# Altium PCB cheriot-test.PcbDoc (part 3 of 10)
Units mil, origin at the board's own origin, x right, y up, seen from the top; angles counter-clockwise.
Board outline 4921.26 x 3149.61 mil, 8 copper layers (Top Layer, Int1 (Sign), Int2 (GND), Int3 (Sign), Int4 (Sign), Int5 (PWR), Int6 (Sign), Bottom Layer), stack 60.424 mil thick; 468 components, 516 nets, 2293 pads, 1328 vias.
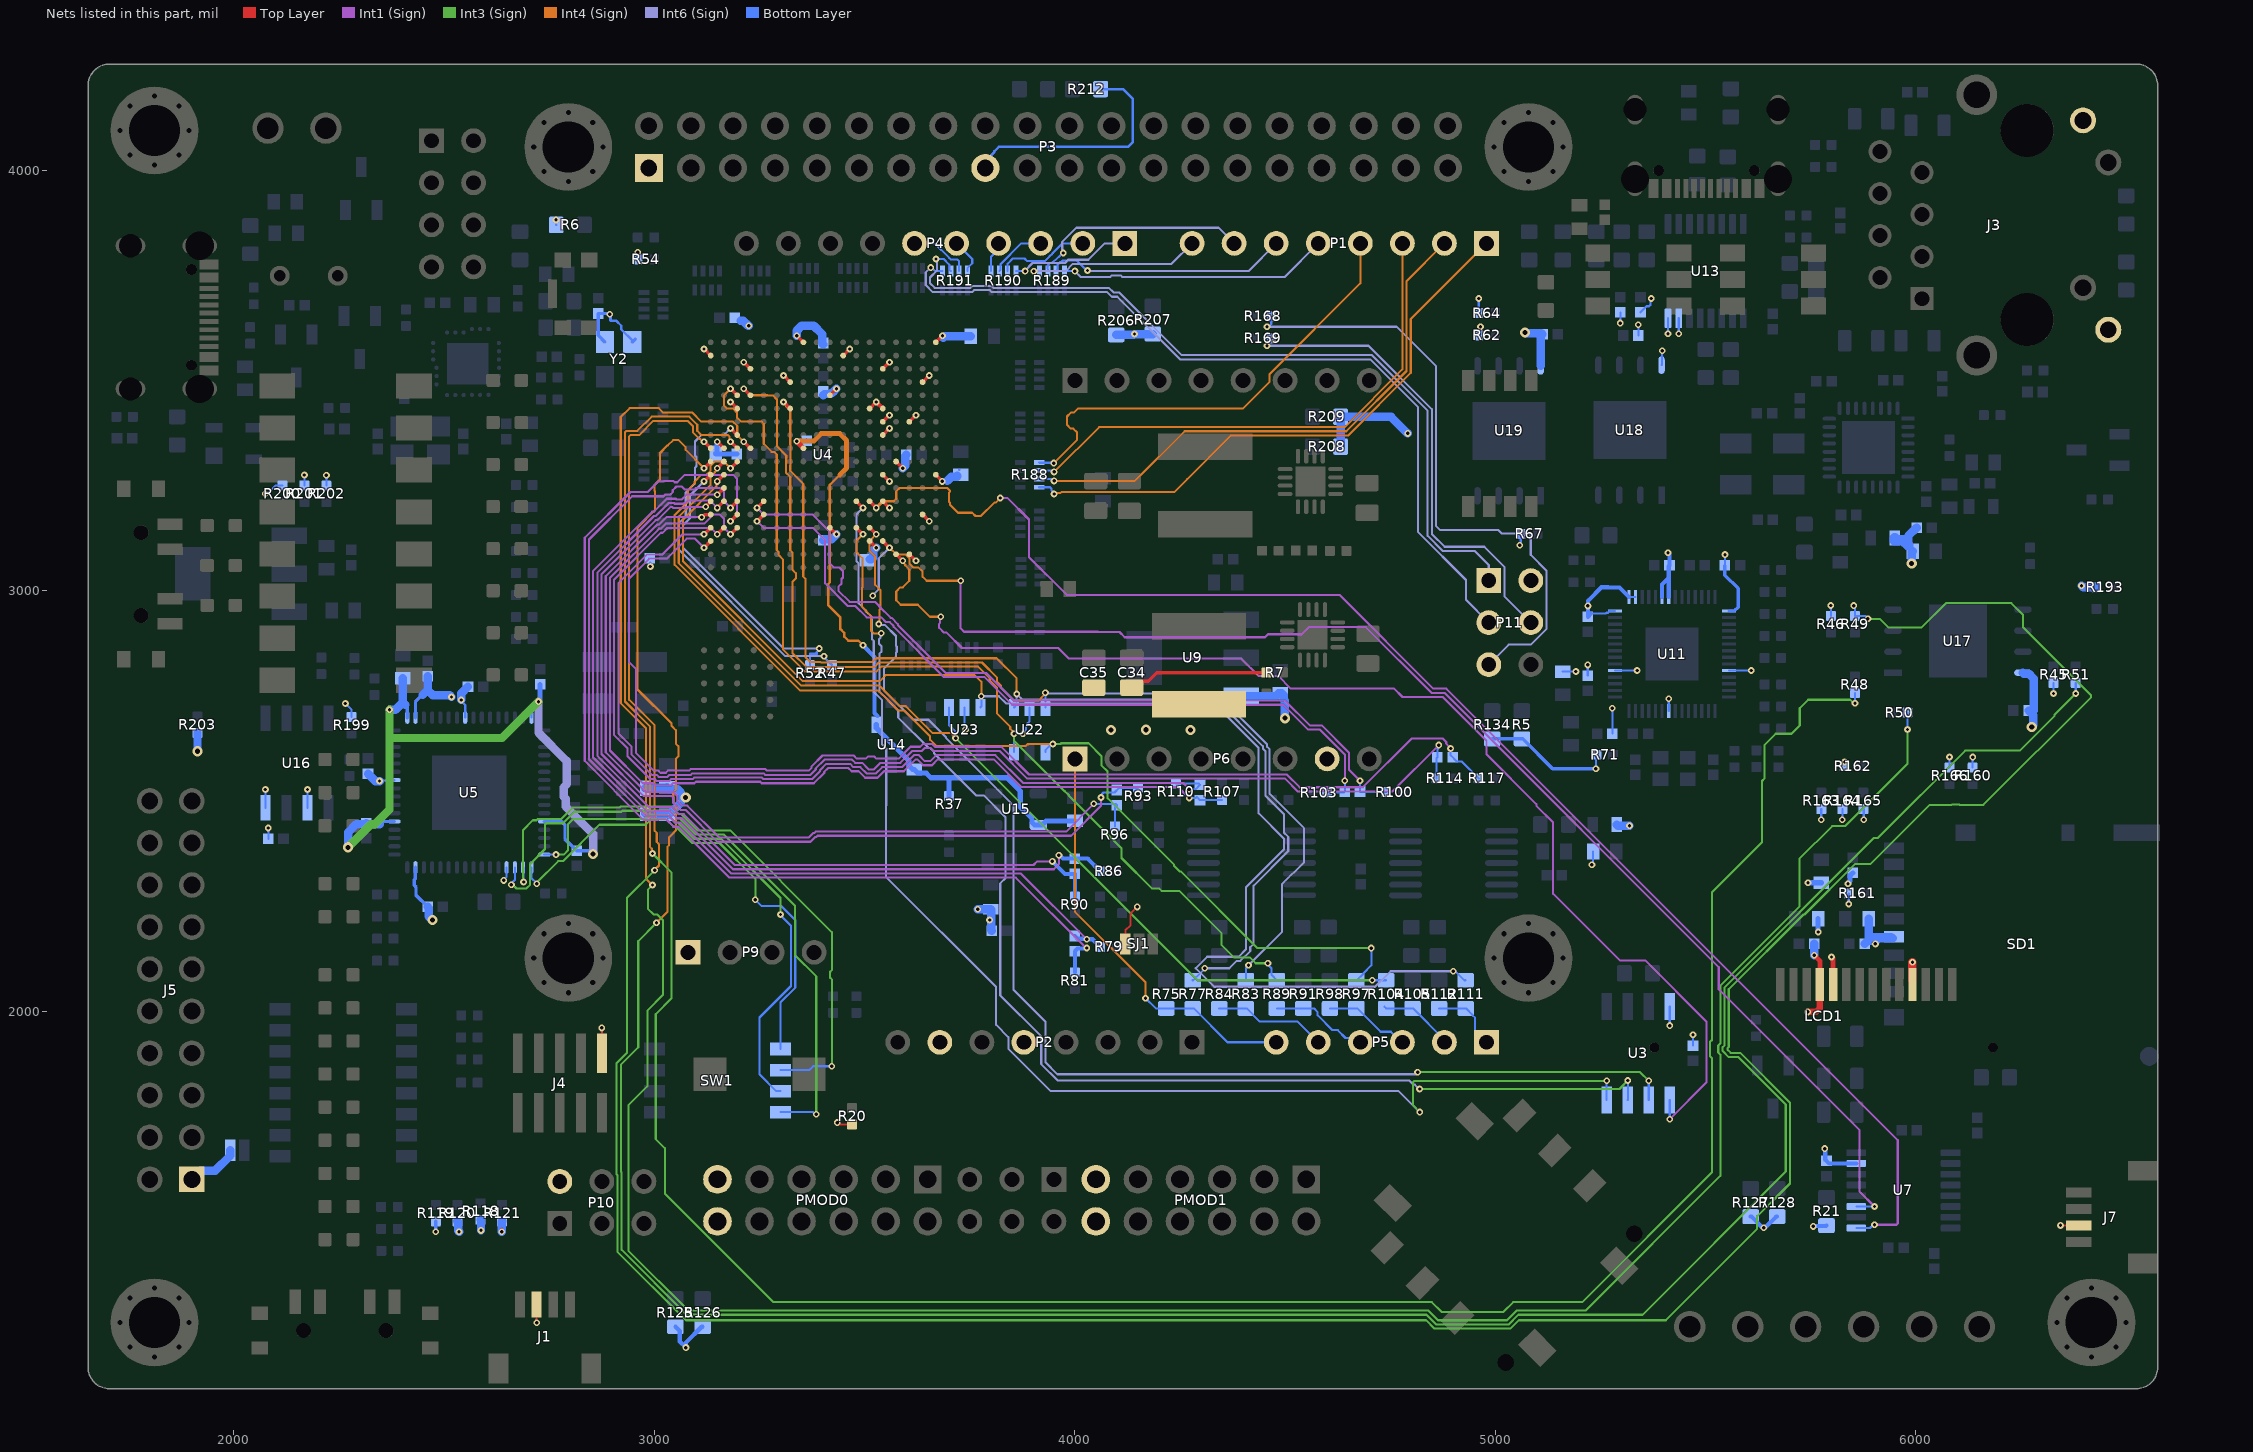
[diagram p9: the nets of this part, all layers, seen from the top]

## Via types
v1: diameter 16, hole 8, Top Layer to Bottom Layer, tented both sides, 1207 vias
v2: diameter 24, hole 12, Top Layer to Bottom Layer, tented both sides, 105 vias
v3: diameter 23.62, hole 11.81, Top Layer to Bottom Layer, tented both sides, 16 vias

## Nets (pads, with @x,y where several pads share a name; then routed paths per layer and width w, separated by ;. In a path a pad name is that pad's centre, name@x,y a point inside that pad or via, vN(x,y) a via of type N, cw(c..) or ccw(c..) an arc to the next point about the centre after c; other vN are vias at no path point)
1V8_FTDI: C76.1 C117.1 C134.1 C135.1 U5.12 U5.37 U5.49 U5.64 | length 1738.4
  Int3 (Sign) w20: v2(2271.65,2389.76) 2326.77,2444.88 2335.68,2444.88 2370.08,2479.28 2370.08,2649.61 ; v1(2370.08,2716.54) 2370.08,2649.61 ; v1(2724.41,2736.22) 2637.8,2649.61 2370.08,2649.61
  Int6 (Sign) w20: v1(2724.41,2736.22) 2724.41,2662.02 2791.34,2595.09 2791.34,2539.17 2784.09,2531.92 2784.09,2510.16 2788.91,2505.33 2788.91,2486.68 2854.33,2421.26 v2(2854.33,2374.02)
  Bottom Layer w5: U5.49@2410.13,2705.49 U5.49@2412.36,2703.26 ; U5.64@2707.64,2698.15 2707.64,2719.45 v1(2724.41,2736.22)
  Bottom Layer w8: 2346.46,2444.88 2352.68,2451.1 U5.37@2381.85,2451.1 ; 2407.68,2728.35 2412.36,2723.66 2412.36,2703.26 U5.49@2412.36,2698.15 ; U5.12@2738.15,2451.1 2779.27,2451.1 2787.4,2442.97 2787.4,2409.45 C134.1@2814.96,2381.89 2846.46,2381.89 v2(2854.33,2374.02)
  Bottom Layer w12: v1(2724.41,2736.22) 2724.41,2737.3 2728.35,2741.24 C117.1@2728.35,2777.17
  Bottom Layer w20: v2(2271.65,2389.76) 2271.65,2425.2 2291.1,2444.65 2312.36,2444.65 C135.1@2314.96,2447.24 2317.32,2444.88 2346.46,2444.88 ; v1(2370.08,2716.54) 2383.66,2716.54 2401.57,2734.45 ; C76.1@2401.57,2791.34 2401.57,2734.45 ; 2407.68,2728.35 2401.57,2734.45
3V3_FTDI: C21.1 C22.1 C23.1 C24.1 C25.1 C26.1 C27.1 C28.1 C29.1 C30.1 C34.1 C35.1 C54.1 C55.1 C56.1 C64.2 C65.1 C69.1 C72.1 C75.1 C79.1 C80.1 C82.1 C83.1 C86.1 C87.1 C88.1 C89.1 C90.1 C91.1 C100.1 C110.1 C111.1 C112.1 C113.1 C114.1 C115.1 C121.1 C122.1 C125.1 C129.1 C136.1 C137.1 C138.1 C141.1 J1.2 J3.9 J3.12 J4.1 J5.1 J7.2 L1.2 L3.1 L5.1 L6.1 L7.1 L9.1 LCD1.4 LCD1.10 LCD1.11 P2.5 P2.7 P3.1 P3.17 P6.7 P9.1 P10.2 P11.2 PMOD0.6 PMOD0.12 PMOD1.6 PMOD1.12 R5.1 R6.1 R7.1 R20.1 R21.2 R45.1 R46.1 R54.1 R62.1 R64.1 R67.2 R71.2 R118.1 R119.1 R120.1 R121.1 R125.1 R126.1 R127.1 R128.1 R134.1 R160.2 R161.2 R162.2 R163.2 R164.2 R165.2 R166.2 R193.1 R199.1 R200.2 R201.2 R202.2 R203.1 R206.2 R207.2 R208.1 R209.1 R212.2 SD1.4 SJ1.1 SJ2.1 U3.8 U4.A17 U4.B10 U4.C13 U4.D16 U4.G15 U4.H18 U4.K4 U4.K14 U4.L17 U4.N3 U4.N13 U4.P6 U4.P8 U4.P11 U4.P12 U4.P13 U4.P16 U4.R9 U4.T2 U4.T12 U4.U5 U4.U15 U4.V8 U4.V18 U5.20 U5.31 U5.42 U5.50 U5.56 U7.15 U9.3 U11.1 U11.10 U11.22 U11.33 U11.42 U11.43 U11.44 U11.48 U11.49 U13.15 U13.16 U16.6 U16.8 U17.8 U18.8 U19.8 U22.5 U23.5 Y2.1 Y2.4 | length 7552.4
  Top Layer w5: v1(2535.5,1475.5) v1@2535.5,1477.82 ; v1(2636.95,1475.5) v1@2636.95,1482.47 ; v1(2720.08,1259.05) J1.2@2720.08,1302.56 ; J4.1@2875,1900 v1(2875,1960.24) ; v1(3435,1735) 3437.98,1735 3442.66,1730.32 R20.1@3470,1730.32 ; SJ1.1@4120,2160 4120,2192.07 4132.5,2204.57 4132.5,2232.49 v1(4148,2247.99) ; v1(6343.93,1490.55) J7.2@6387.44,1490.55
  Top Layer w8: v1(3118.11,3574.8) U4.A17@3133.86,3559.06 ; v1(3149.61,3354.33) U4.B10@3165.35,3338.58 ; v1(3181.1,3448.82) U4.C13@3196.85,3433.07 ; v1(3212.6,3543.31) U4.D16@3228.35,3527.56 ; v1(3307.09,3511.81) U4.G15@3322.83,3496.06 ; v1(3338.58,3606.3) U4.H18@3354.33,3590.55 ; U4.K4@3417.32,3149.61 v1(3433.07,3133.86) ; U4.K14@3417.32,3464.57 v1(3433.07,3480.32) ; U4.L17@3448.82,3559.06 v1(3464.57,3574.8) ; U4.N3@3511.81,3118.11 v1(3527.56,3102.36) ; U4.N13@3511.81,3433.07 v1(3527.56,3448.82) ; U4.P6@3543.31,3212.6 v1(3559.06,3196.85) ; U4.P8@3543.31,3275.59 v1(3559.06,3259.84) ; U4.P11@3543.31,3370.08 v1(3559.06,3385.83) ; U4.P12@3543.31,3401.57 v1(3559.06,3417.32) ; U4.P16@3543.31,3527.56 v1(3559.06,3543.31) ; U4.R9@3574.8,3307.09 v1(3590.55,3291.34) ; U4.T2@3606.3,3086.61 v1(3622.05,3070.87) ; U4.T12@3606.3,3401.57 v1(3622.05,3417.32) ; U4.U5@3637.8,3181.1 v1(3653.54,3165.35) ; U4.U15@3637.8,3496.06 v1(3653.54,3511.81) ; U4.V8@3669.29,3275.59 3669.29,3275.47 3684.79,3259.97 v1(3684.79,3259.84) ; U4.V18@3669.29,3590.55 v1(3685.04,3606.3) ; C34.1@4135,2769.57 4149.99,2784.56 4174.56,2784.56 4195,2805 R7.1@4455.31,2805
  Top Layer w10: v1(3527.56,3448.82) U4.P13@3543.31,3433.07
  Top Layer w12: v1(5758.32,2133.11) 5771.65,2119.77 LCD1.11@5771.65,2062.99 ; v1(5799.21,2128.92) 5803.15,2124.98 LCD1.10@5803.15,2062.99
  Top Layer w15: v1(5742.8,1998.21) 5742.99,1998.4 5762.78,1998.4 5771.65,2007.28 LCD1.11@5771.65,2033.62
  Top Layer w20: LCD1.4@5991.74,2072.29 v1(5991.74,2116.56)
  Bottom Layer w5: v1(2074.56,3230.57) 2079.68,3230.57 2099.37,3250.26 R200.2@2115.37,3250.26 ; U16.8@2075,2483.7 v1(2075,2527.21) ; C79.1@2081.89,2410 2081.89,2428.63 v1(2081.89,2435.6) ; R201.2@2167.68,3250.26 2167.68,3268.1 v1(2167.68,3275.07) ; U16.6@2175,2483.7 v1(2175,2527.21) ; R202.2@2220,3249.68 v1(2220,3274.5) ; v1(2265.28,2731.73) 2280,2717 R199.1@2280,2699.68 ; v1(2346.46,2547.24) 2347.81,2548.6 2380.92,2548.6 U5.42@2381.85,2549.53 ; v1(2541,2740.16) 2541,2737.18 2550.16,2728.02 U5.56@2550.16,2698.15 ; v1(2641.73,2311.02) 2641.73,2312.74 2648.58,2319.59 U5.20@2648.58,2341.85 ; v1(2766.18,3881.65) 2766.18,3870.35 R6.1@2766.54,3870 ; R54.1@2960.32,3787.68 v1(2960.32,3804.5) ; C21.1@2989.5,3067.03 2990.5,3067.03 v1(2990.5,3057.36) ; C28.1@3725,3287.44 C28.1@3725.63,3288.07 ; U23.5@3737.91,2722.22 3737.91,2671.59 v1(3740,2669.5) ; v1(3797.11,2216.86) 3797.11,2216.14 3800.95,2212.3 3801.89,2211.36 3801.89,2209.9 C56.1@3801.89,2191.26 ; v1(3876.42,2659.5) 3876.42,2662.48 3883.95,2670 3883.95,2677.43 3887.18,2680.66 3887.18,2684.2 3892.51,2689.53 3892.51,2696.49 U22.5@3892.51,2722.22 ; R62.1@4960.31,3607.22 4964.57,3611.48 v1(4964.57,3627.78) ; R64.1@4960.31,3660 4960.31,3679.39 v1(4960.32,3694.89) ; v1(5058.08,3108.01) 5060.19,3110.12 5060.19,3115.62 5060.32,3115.75 5060.32,3117.21 R67.2@5060.31,3135.06 ; C82.1@5160,2807.56 5184.74,2807.56 5191.08,2807.56 v1(5191.46,2807.93) ; v1(5219.68,2823.39) 5219.68,2798.43 C89.1@5220,2798.11 ; C86.1@5227.6,2945.71 5262.63,2945.71 5264.33,2947.42 5267.07,2947.42 5271.38,2951.73 U11.42@5284.17,2951.73 ; v1(5229.5,2348.2) 5229.5,2351.18 5232.44,2354.12 5232.44,2355.17 C100.1@5232.44,2379.9 ; v1(5239.04,2576.81) 5239.04,2608.59 R71.2@5240.31,2609.87 ; C87.1@5278.11,2660 5278.11,2692.76 v1(5278.11,2720.5) ; U11.33@5284.17,2809.99 v1(5336.92,2809.99) ; v1(5297.14,3636.29) 5297.14,3643.25 C55.1@5297.14,3661.89 ; U11.43@5317.64,2985.19 U11.44@5333.39,2985.19 ; C83.1@5340,3606.84 v1(5340,3632.44) ; C54.1@5345.08,3661.89 5359.45,3676.25 5365.61,3676.25 5368.74,3679.39 5368.74,3692.95 v1(5370.68,3694.89) ; U18.8@5395,3536.36 5395.87,3537.23 5395.87,3569.78 v1(5396.74,3570.65) ; v1(5410.43,3611.17) 5410.43,3618.14 U13.16@5410.43,3647.8 ; U11.22@5412.13,2713.54 v1(5412.13,2743.27) ; v1(5414.59,1965.74) U3.8@5414.59,2011.22 ; v1(5436.02,3611.17) U13.15@5436.02,3647.8 ; C65.1@5470,1918.11 v1(5470,1943.71) ; C88.1@5545.84,3060 5545.84,3078.63 5545.84,3085.6 v1(5546.08,3085.84) ; U11.10@5555.83,2809.99 v1(5608.58,2809.99) ; v1(5775,2455.5) R163.2@5775,2480.32 ; R46.1@5797.78,2940.02 v1@5797.78,2957.87 ; v1(5825,2455.5) R164.2@5825,2480.32 ; R162.2@5830.31,2582.82 v1(5830.32,2592.5) ; v1(5840.02,2254.9) 5840.32,2255.19 5840.32,2262.15 R161.2@5840.31,2280 ; R165.2@5875,2480.32 5876,2479.32 v1(5876,2455.5) ; C114.1@5878.11,2160 v1(5903.71,2160) ; R166.2@6080,2579.68 v1(6080,2604.5) ; R160.2@6135,2579.37 6135,2597.22 v1(6135,2604.18) ; v1(6327.22,2755.5) 6327.22,2762.47 R45.1@6327.22,2780.32
  Bottom Layer w6: v1(2893.7,3657.48) 2895.61,3655.57 2895.61,3643.33 2897.22,3641.73 2909.45,3641.73 2921.26,3629.92 2921.26,3621.5 2947.48,3595.28 Y2.1@2947.48,3591.34 ; P3.17@3787.01,4005.12 3787.01,4021.61 3808.78,4043.38 3808.78,4045 3818.9,4055.12 4125.98,4055.12 4137.8,4066.93 4137.8,4169.29 4114.17,4192.91 R212.2@4061.02,4192.91
  Bottom Layer w8: U5.31@2432.05,2341.85 2431.69,2341.5 2431.69,2315.16 2429.13,2312.6 2429.13,2299.21 2433.07,2295.28 2433.07,2275.59 C137.1@2460.63,2248.03 ; U5.50@2432.05,2698.15 2432.05,2721.08 2431.82,2721.3 2431.82,2735.39 2448.4,2751.97 2448.82,2751.97 ; v1(2480,1475.5) 2480.16,1475.66 2480.16,1499.84 R119.1@2480.32,1500 ; Y2.4@2882.52,3591.34 2866.14,3607.72 C141.1@2866.14,3659.06 2888.19,3659.06 2889.76,3657.48 v1(2893.7,3657.48) ; Y2.1@2947.48,3591.34 Y2.1@2954.57,3598.43 ; R134.1@4992.13,2647.64 R5.1@5062.99,2647.64 5064.96,2647.64 5135.79,2576.81 v1(5239.04,2576.81) ; C88.1@5545.84,3060 5545.84,3036.84 5577.4,3005.28 5577.4,2960.63 5568.5,2951.73 U11.1@5555.83,2951.73 ; v1(5903.71,2160) 5905.87,2160 5912.66,2166.78 5938.45,2166.78 5944.9,2173.23 SD1.4@5948.23,2176.56
  Bottom Layer w10: R125.1@3050,1249.54 3060.26,1239.28 3060.26,1214.74 v1(3075,1200) 3075,1211.98 3112.56,1249.54 R126.1@3114.53,1249.54 ; C86.1@5227.6,2945.71 C86.1@5220,2938.11 v1(5220,2963.71) 5220.39,2964.1 5220.39,2975.85 5252.54,3008 5267.46,3008 5267.91,3007.55 5295.28,3007.55 U11.43@5317.64,2985.19 ; U11.48@5396.38,2985.19 5396.38,3014.49 5412.13,3030.24 ; v1(5410.5,3090) 5410.5,3088.38 5414.07,3084.81 C90.1@5414.07,3060 5412.13,3058.06 5412.13,3030.24 ; U11.49@5412.13,2985.19 5412.13,3030.24 ; R127.1@5606.93,1511.54 5608.9,1511.54 5634.29,1486.15 5636.85,1486.15 v1(5638,1485) 5639.15,1486.15 5642.64,1486.15 5668.03,1511.54 R128.1@5670,1511.54 ; v1(5755.91,1488.19) 5756.89,1489.17 5786.42,1489.17 R21.2@5787.4,1490.16 ; v1(5783.46,1673.23) 5784.61,1672.08 5784.61,1646.88 C64.2@5787.4,1644.09 5793.7,1637.8 U7.15@5858.27,1637.8
  Bottom Layer w12: v1(3149.61,3354.33) 3148.84,3353.57 3148.84,3329.46 C110.1@3145.51,3326.13 3146.58,3325.05 C22.1@3196,3325.05 ; v1(3684.79,3259.84) 3685.56,3260.61 3696.11,3260.61 3696.85,3261.35 ; v1(5743.3,2305.42) C121.1@5775,2305.42 ; v1(5767.56,2188.3) C113.1@5767.56,2220 ; v1(5838.58,2303.15) 5838.58,2304.23 5843.4,2309.05 5843.4,2322.44 C122.1@5850,2329.04
  Bottom Layer w20: J5.1@1900,1600 1920.51,1620.51 1955.38,1620.51 1991.66,1656.79 SJ2.1@1991.66,1669.29 ; v2(1913.39,2618.11) R203.1@1913.39,2661.42 ; C136.1@2318.9,2564.57 2336.22,2547.24 v1(2346.46,2547.24) ; 2448.82,2751.97 2460.63,2763.78 ; C137.1@2460.63,2248.03 2463.23,2245.43 2463.23,2225.75 v2(2472.44,2216.54) ; C75.1@2460.63,2796.85 2460.63,2763.78 ; v1(2517.59,2747.19) 2513.28,2751.5 2472.91,2751.5 2460.63,2763.78 ; R120.1@2531.5,1500 2533.31,1498.19 2533.31,1477.7 v1(2535.5,1475.5) ; v1(2541,2740.16) 2541,2755.96 C138.1@2556.69,2771.65 ; R118.1@2586.61,1503.94 2587.77,1502.78 v1(2587.77,1478.64) ; v1(2636.95,1475.5) 2636.95,1499.15 R121.1@2637.8,1500 ; L5.1@2978.74,2470 2979.96,2468.78 3028.78,2468.78 C69.1@3030,2467.56 3033.94,2467.56 3062.99,2496.61 v2@3062.99,2508.2 ; L6.1@2978.74,2530 2979.96,2531.22 C72.1@3028.78,2531.22 ; C72.1@3030,2532.44 C72.1@3028.78,2531.22 ; v2(3074.48,2508.2) v2@3062.99,2508.2 ; 3204.72,3641.73 3211.38,3641.73 3223.19,3629.92 v1(3224.41,3629.92) ; v1(3338.58,3606.3) 3338.58,3618.21 3350.3,3629.92 3378.98,3629.92 3398.98,3609.93 3398.98,3587.95 C27.1@3401.57,3585.35 ; C25.1@3401.57,3119.69 3404.17,3122.28 3421.5,3122.28 v1(3433.07,3133.86) ; C23.1@3401.57,3465.18 3404.17,3467.78 3419.51,3467.78 3423.54,3471.82 3424.57,3471.82 v1(3433.07,3480.32) ; C29.1@3511.81,3074.8 3515.75,3074.8 3520.51,3079.57 3520.51,3095.31 v1(3527.56,3102.36) ; v1(3590.55,3291.34) 3596.71,3297.49 3596.71,3320.24 C26.1@3599.31,3322.83 ; v1@3686.54,3601.26 3690.28,3605 C111.1@3752.44,3605 ; 3696.85,3261.35 3706.33,3270.83 3719.65,3270.83 3720.47,3271.65 C28.1@3720.47,3273.06 ; v1(3768.89,2242.52) L3.1@3800,2242.52 3800.95,2241.57 3800.95,2212.3 3800.95,2192.2 C56.1@3801.89,2191.26 ; R206.2@4098.43,3608.27 4139.76,3608.27 v1(4141.73,3610.24) R207.2@4185.04,3610.24 ; U9.3@4395.16,2749.45 4477.8,2749.45 4484.25,2755.91 C30.1@4488.19,2755.91 4492.13,2755.91 4496.89,2751.14 4496.89,2740.7 4499.06,2738.52 4499.06,2697.44 v2(4499.83,2696.68) ; R208.1@4631.89,3342.52 R209.1@4631.89,3413.39 4751.97,3413.39 v1(4791.34,3374.02) ; v2(5070.11,3614.18) 5071.19,3614.18 5072.78,3612.6 5109.29,3612.6 C91.1@5111.89,3610 5107.53,3605.64 U19.8@5107.53,3534.55 ; L7.1@5288.74,2443.95 5288.74,2443.54 5291.34,2440.94 v1(5318.9,2440.94) ; C112.1@5758.11,2160 5758.32,2159.79 v1(5758.32,2133.11) ; C114.1@5878.11,2160 C114.1@5887.56,2169.45 ; C115.1@5887.56,2220 C114.1@5887.56,2169.45 ; SD1.4@5944.9,2173.23 5941.63,2176.5 5894.61,2176.5 C114.1@5887.56,2169.45 ; C125.1@5981.49,3108.43 5981.49,3129.63 C129.1@6001.89,3150.03 ; v2(5990,3065) 5990,3091.1 C125.1@5992.44,3093.54 ; U17.8@6254.55,2805 6256.82,2802.73 6268.28,2802.73 6280,2791.01 C80.1@6280,2715 ; C80.1@6268.11,2715 6278.97,2704.14 6278.97,2680.33 6275.5,2676.85 v2(6275.5,2675.77) ; v1(6393.7,3011.81) 6397.64,3007.87 R193.1@6429.13,3007.87 R193.1@6427.32,3009.68 ; C72.1@3028.78,2531.22 3032.32,2527.68 3055.1,2527.68 3062.99,2519.78 v2@3062.99,2508.2
  Bottom Layer w25: L9.1@5950,3125 5950,3119.49 5950.1,3119.39 5970.53,3119.39 C125.1@5981.49,3108.43
  other v1: 5797.78,2964.83
  other v2: 4086.2,2669.04 4169.29,2669.29 4275.18,2669.04
232_RX: U4.N6 U7.9 | length 3535.2
  Top Layer w8: U4.N6@3511.81,3212.6 v1(3527.56,3196.85)
  Int1 (Sign) w5: v1(3822.65,3220.47) 3822.94,3220.76 3839.45,3220.76 3890.85,3169.36 3890.85,3079.54 3980.39,2990 4629.3,2990 4852.31,2766.99 4883.01,2766.99 5956.69,1693.31 5956.69,1495.06 5953.76,1492.13 v1(5901.57,1492.13)
  Int4 (Sign) w5: 3543.31,3212.6 3569.6,3212.6 3575.05,3218.05 3575.05,3236.05 3583.01,3244.01 3696.85,3244.01 3702.85,3238.01 3702.85,3235.41 3700.36,3232.92 3700.36,3211.8 3702.85,3209.31 3702.85,3204.37 3721.93,3185.29 3755.78,3185.29 3763.65,3177.41 3776.49,3177.41 3808.37,3209.3 3811.48,3209.3 v1(3822.65,3220.47)
  Int4 (Sign) w8: v1(3527.56,3196.85) 3543.31,3212.6
  Bottom Layer w5: U7.9@5858.27,1484.25 5890.72,1484.25 5898.6,1492.13 v1(5901.57,1492.13)
232_TX: U4.P3 U7.11 | length 3405
  Top Layer w8: U4.P3@3543.31,3118.11 v1(3559.06,3102.36)
  Int1 (Sign) w5: v1(3728.35,3023.62) 3728.35,2910.19 3736.22,2902.32 4054.36,2902.32 4054.91,2901.76 4106.11,2901.76 4118.53,2889.34 4452.09,2889.34 4459.09,2896.34 4539.53,2896.34 4556.57,2913.39 4691.77,2913.39 4848.17,2756.99 4878.87,2756.99 5531.19,2104.67 5531.19,2052.1 5865.5,1717.79 5865.5,1571.51 v1(5901.57,1535.43)
  Int4 (Sign) w5: v1(3559.06,3102.36) 3575.05,3086.37 3596.97,3086.37 3606.55,3076.79 3606.55,3064.45 3616.12,3054.87 3628.47,3054.87 3637.8,3045.54 3637.8,3033.2 3647.37,3023.62 v1(3728.35,3023.62)
  Int6 (Sign) w5: v1(3519.57,2988.14) 3519.57,2989.41 3533.49,3003.33 3533.49,3076.8 v1(3559.06,3102.36)
  Bottom Layer w5: U7.11@5858.27,1535.43 v1(5901.57,1535.43)
485_DE: U3.3 U4.M4 | length 2987.7
  Top Layer w8: U4.M4@3480.32,3149.61 v1(3496.06,3133.86)
  Int3 (Sign) w5: v1(4819.76,1815) 5295,1815 v1(5315,1835)
  Int4 (Sign) w5: v1(3496.06,3133.86) 3480.56,3118.36 3480.56,3090.93 3494.5,3077 3494.5,3007.74 3494.07,3007.31 3494.07,2961.55 3503.77,2951.85 3503.77,2950.72 3515.75,2938.74 3515.75,2904.1 3521.5,2898.35 3539.55,2898.35 v1(3539.72,2898.52)
  Int6 (Sign) w5: v1(3539.72,2898.52) 3537.62,2896.42 3537.62,2888.03 3534.35,2884.76 3534.35,2873.31 3540,2867.66 3540,2855 3535,2850 3535,2775 3535.74,2774.26 3535.74,2759.26 3580,2715 3580,2697.93 3652.2,2625.74 3656.03,2625.74 3665.11,2616.66 3665.11,2612.83 3764.69,2513.24 3783.03,2513.24 3835,2461.27 3835,2316.41 3822.61,2304.02 3822.61,2037.39 3920,1940 3920,1874.14 3959.14,1835 4795,1835 4804.65,1825.35 4808.19,1825.35 4818.54,1815 v1(4819.76,1815)
  Bottom Layer w5: U3.3@5314.59,1788.78 5315,1789.19 v1(5315,1835)
485_DI: U3.4 U4.M6 | length 3090.4
  Top Layer w8: U4.M6@3480.32,3212.6 v1(3496.06,3196.85)
  Int3 (Sign) w5: v1(4820,1760) 4804.26,1775.74 4804.26,1831.33 4807.19,1834.26 v1(5264.59,1834.26)
  Int6 (Sign) w5: v1(3496.06,3196.85) 3480.56,3181.35 3480.56,3069.64 3485.75,3064.46 3485.75,2969.87 3501.81,2953.81 3501.81,2952.68 3517.87,2936.61 3517.87,2884.33 3521.56,2880.64 3521.56,2759.29 3541.5,2739.36 3541.5,2634.06 3551.5,2624.06 3551.5,2489.09 3551.14,2488.73 3551.14,2318.86 3812.61,2057.39 3812.61,1967.39 3841.71,1938.29 3841.71,1910.65 3942.36,1810 4770,1810 v1(4820,1760)
  Bottom Layer w5: U3.4@5264.59,1788.78 v1(5264.59,1834.26)
485_REn: U3.2 U4.N4 | length 3017.7
  Top Layer w8: U4.N4@3511.81,3149.61 v1(3527.56,3133.86)
  Int3 (Sign) w5: v1(4815,1855) 5343.85,1855 v1(5364.59,1834.26)
  Int4 (Sign) w5: v1(3527.56,3133.86) 3511.81,3118.11 3511.81,3094.49 3524.99,3081.31 3524.99,3013.72 3538.17,3000.55 3538.17,2957.27 3535,2954.1 3535,2938.95 3534.93,2938.88 3534.93,2922.28 v1(3533.37,2920.72)
  Int6 (Sign) w5: v1(3533.37,2920.72) 3535.32,2918.78 3548.03,2918.78 3574.56,2892.25 3574.56,2868.63 3576.43,2866.75 3576.43,2853.91 3574.56,2852.04 3574.56,2843.2 3545.74,2814.38 3545.74,2763.4 3616.11,2693.03 3651.72,2693.03 3693.78,2650.98 3693.78,2649.28 3853.61,2489.45 3853.61,2051.39 3930,1975 3930,1878.28 3958.28,1850 4810,1850 v1(4815,1855)
  Bottom Layer w5: U3.2@5364.59,1788.78 v1(5364.59,1834.26)
485_RO: U3.1 U4.R2 | length 2935.7
  Top Layer w8: U4.R2@3574.8,3086.61 v1(3590.55,3070.87)
  Int1 (Sign) w5: v1(3681,2938) 3678.9,2935.9 3678.9,2922.92 3677.17,2921.19 3677.17,2911.54 3688.58,2900.13 3695.09,2900.13 3731.55,2863.66 3960.7,2863.66 3986.02,2838.34 4395.8,2838.34 4436.74,2797.4 4483.25,2797.4 4513.66,2766.99 4582.92,2766.99 4583.72,2767.78 4758.17,2767.78 4778.97,2746.99 4874.73,2746.99 4978.76,2642.96 4978.76,2611.16 5097.5,2492.42 5097.5,2488.66 5137.39,2448.77 5137.39,2279.24 5295.86,2120.76 5356.51,2120.76 5501.67,1975.6 5501.67,1830.38 v1(5414.59,1743.3)
  Int4 (Sign) w5: v1(3590.55,3070.87) 3590.55,3067.89 3596.55,3061.89 3596.55,3060.3 3606.05,3050.8 3606.05,3023.37 3590.55,3007.87 3585.01,3007.87 3575.05,2997.92 3575.05,2976.95 3585.61,2966.39 3626.61,2966.39 3655,2938 v1(3681,2938)
  Bottom Layer w5: v1(5414.59,1743.3) U3.1@5414.59,1788.78
+1V85_XADC_VCC: C58.1 C59.1 C139.1 R37.1 U4.H10 U14.1 U15.5 | length 1582.1
  Top Layer w12: v1(3338.58,3355.52) 3338.58,3354.81 3354.33,3339.06 U4.H10@3354.33,3338.58
  Int4 (Sign) w5.9: 3417.08,3197.35 3417.08,3019.44 3413.39,3015.75 3413.39,2990.52 3413.75,2990.16 3413.75,2964.93 3442.56,2936.13 3442.56,2908.49 3451.6,2899.44 3451.6,2890.7 3460.95,2881.36 3484.78,2881.36 v1(3496.06,2870.08)
  Int4 (Sign) w6: 3417.08,3197.35 3417.08,3251.72 3440.94,3275.59
  Int4 (Sign) w12: v1(3338.58,3355.52) 3378.94,3355.52 3396.76,3373.34 3440.93,3373.34 3456.69,3357.58 3456.69,3291.34 3440.94,3275.59
  Bottom Layer w10: v1(3496.06,2870.08) 3523.62,2842.52 3523.62,2708.66 3530.35,2701.93 ; U14.1@3530.35,2673.59 U14.1@3536.7,2667.24
  Bottom Layer w12: v1(3338.58,3355.52) 3339.17,3356.11 3361.62,3356.11 C139.1@3362.2,3356.69 ; U14.1@3527.56,2681.1 3527.56,2673.23 3605.41,2595.38 3605.41,2583.57 3614.17,2574.8 C59.1@3618.11,2574.8 3626.87,2566.04 3646.56,2566.04 3657.48,2555.12 3700.79,2555.12 ; R37.1@3700.79,2511.81 3700.79,2555.12 ; C58.1@4000,2452.44 3931.85,2452.44 3922.01,2442.6 U15.5@3913.15,2442.6 3904.29,2442.6 3898.48,2448.41 3898.48,2457.27 3870.08,2485.67 3870.08,2523.62 3838.58,2555.12 3700.79,2555.12
AH_AN0: P5.6 P6.1 R75.1 R77.1 | length 992.8
  Int4 (Sign) w5: P6.1@4000,2600 4000,2236.52 4168,2068.52 v1(4168,2031)
  Bottom Layer w5: v1(4168,2031) 4192.46,2006.54 R75.1@4217.25,2006.54 R77.1@4280.31,2006.54 4282.28,2006.54 4362.83,1925.98 P5.6@4478.74,1925.98
AH_AN1: P5.5 R83.1 R84.1 | length 268.7
  Bottom Layer w5: R84.1@4343.38,2006.54 R83.1@4406.45,2006.54 4408.41,2006.54 4439.95,1975 4529.72,1975 P5.5@4578.74,1925.98
AH_AN2: P5.4 R89.1 R91.1 | length 236.1
  Bottom Layer w5: R89.1@4480.31,2006.54 R91.1@4543.38,2006.54 4568.46,2006.54 4577.36,1997.64 4577.36,1990.21 4612.57,1955 4625,1955 4643.67,1936.33 4668.4,1936.33 P5.4@4678.74,1925.98